# Altium PCB 609_2.PcbDoc
Units mil, origin at the board's own origin, x right, y up, seen from the top; angles counter-clockwise.
Board outline 2283.46 x 2283.46 mil, 2 copper layers (Top Layer, Bottom Layer); 38 components, 31 nets, 125 pads, 32 vias.
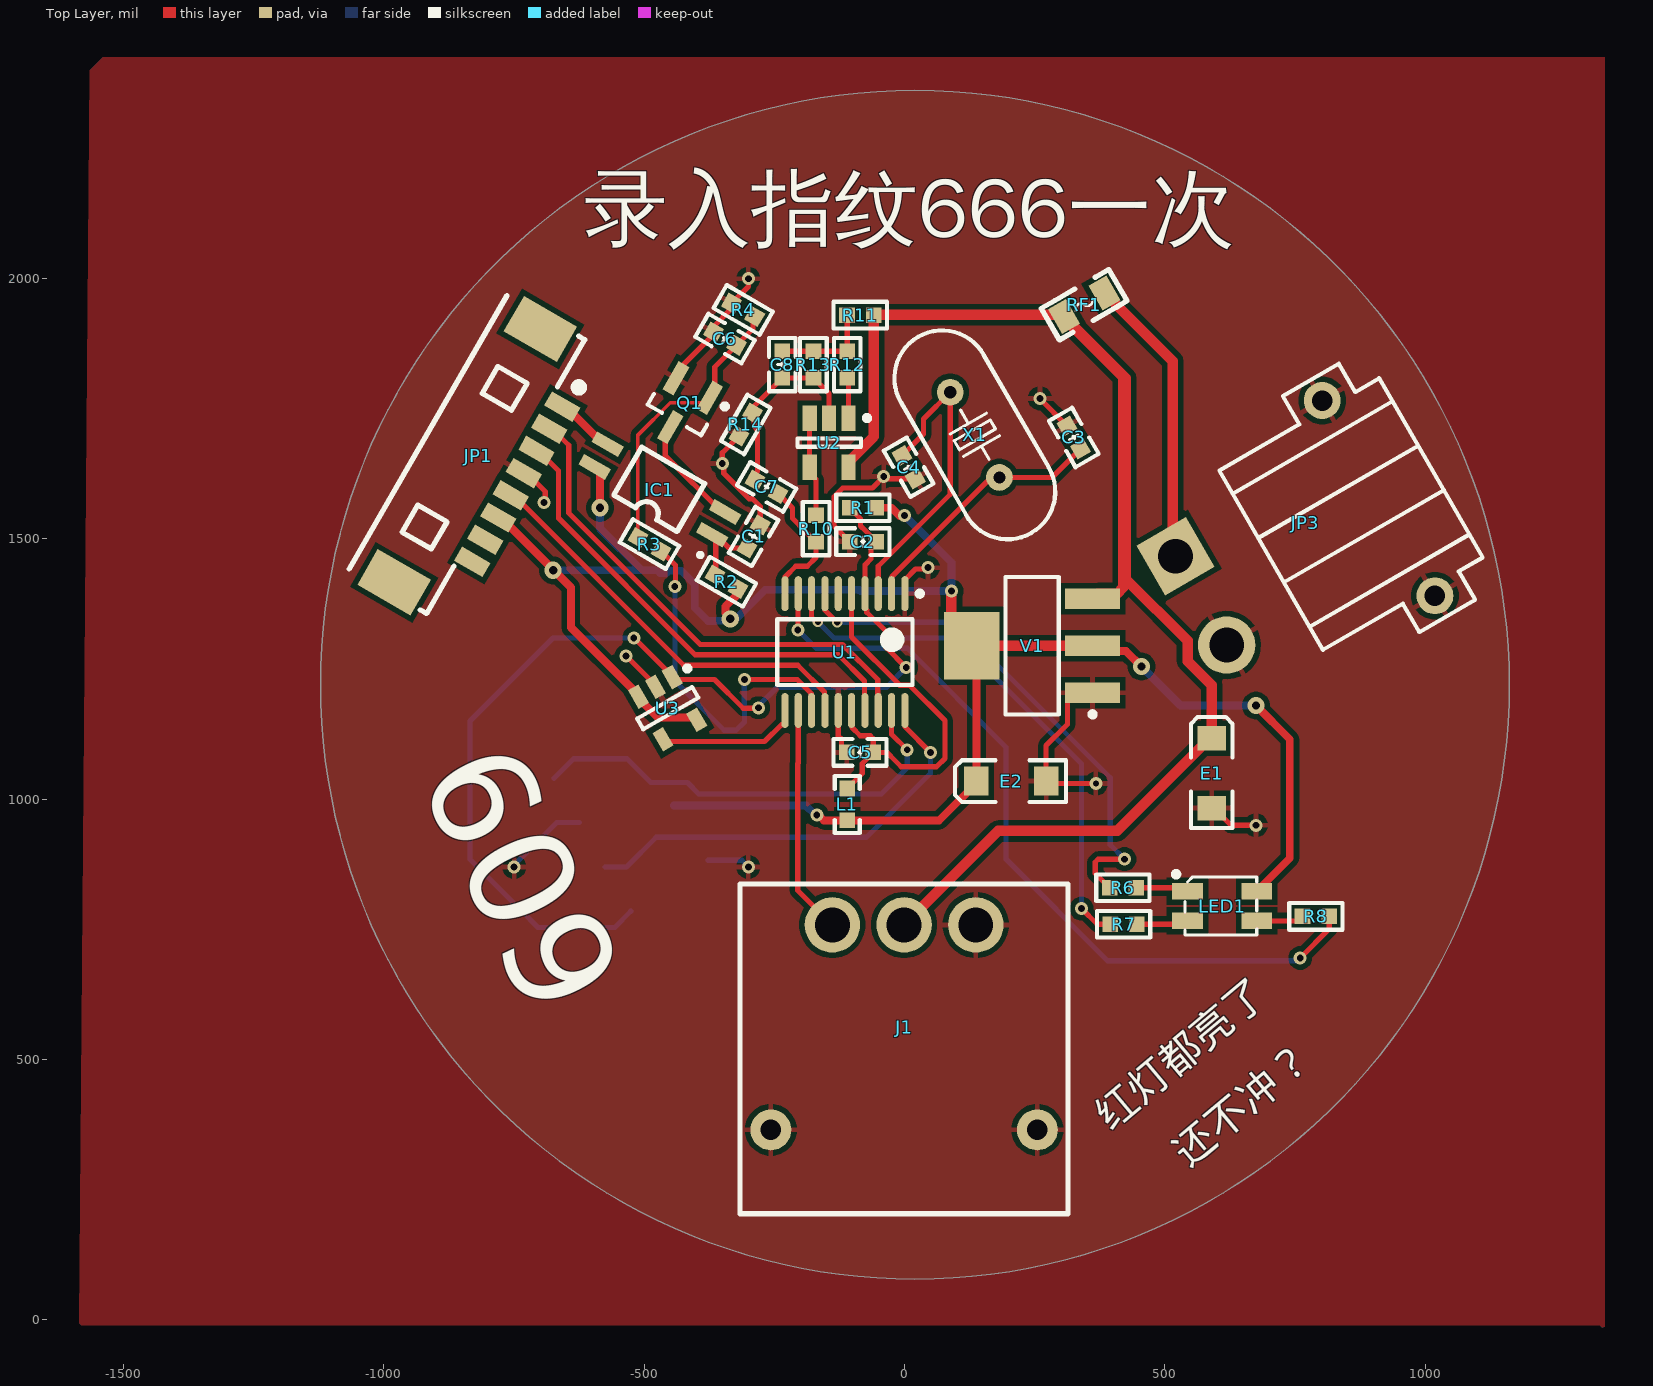
[diagram p0: Top Layer view]
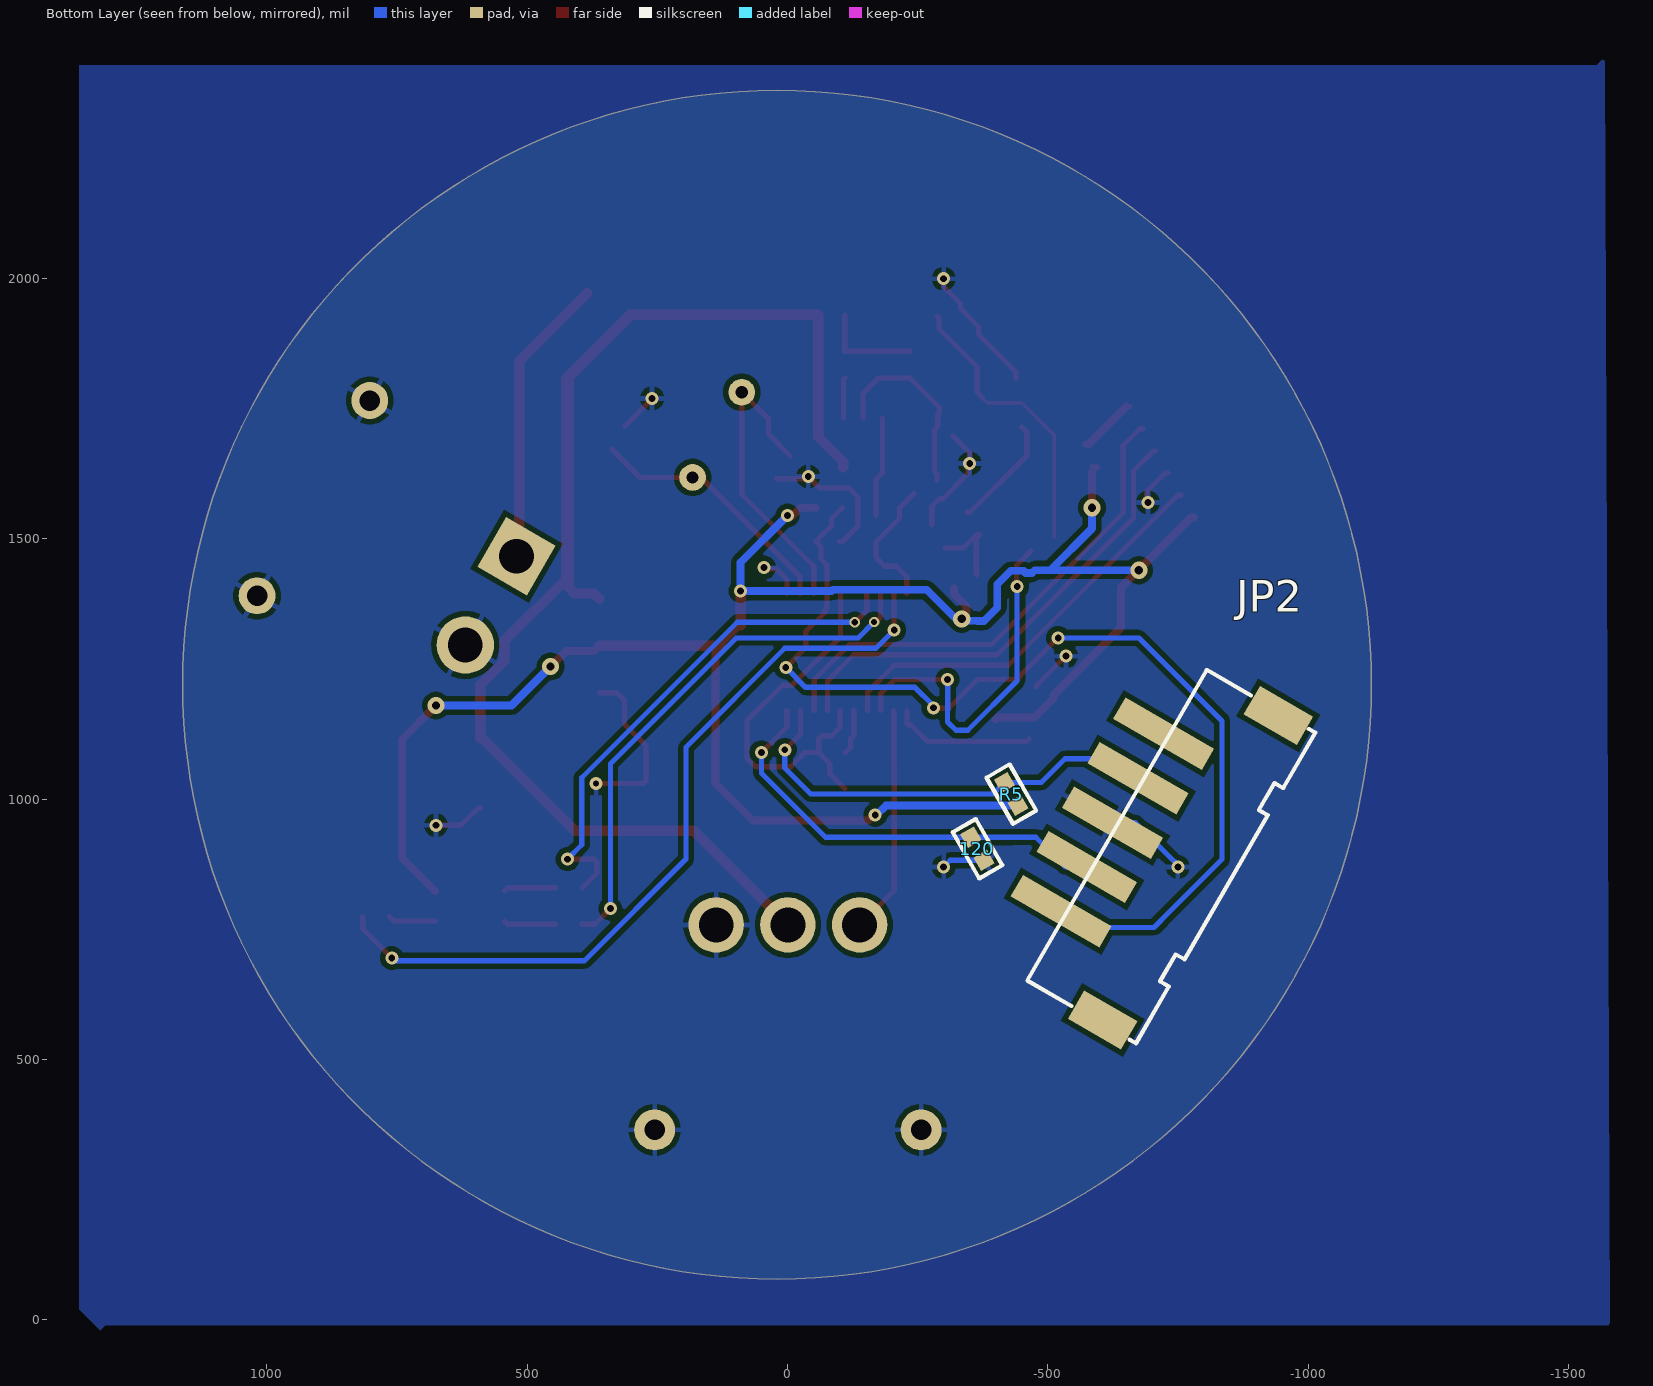
[diagram p1: Bottom Layer view, seen from below]
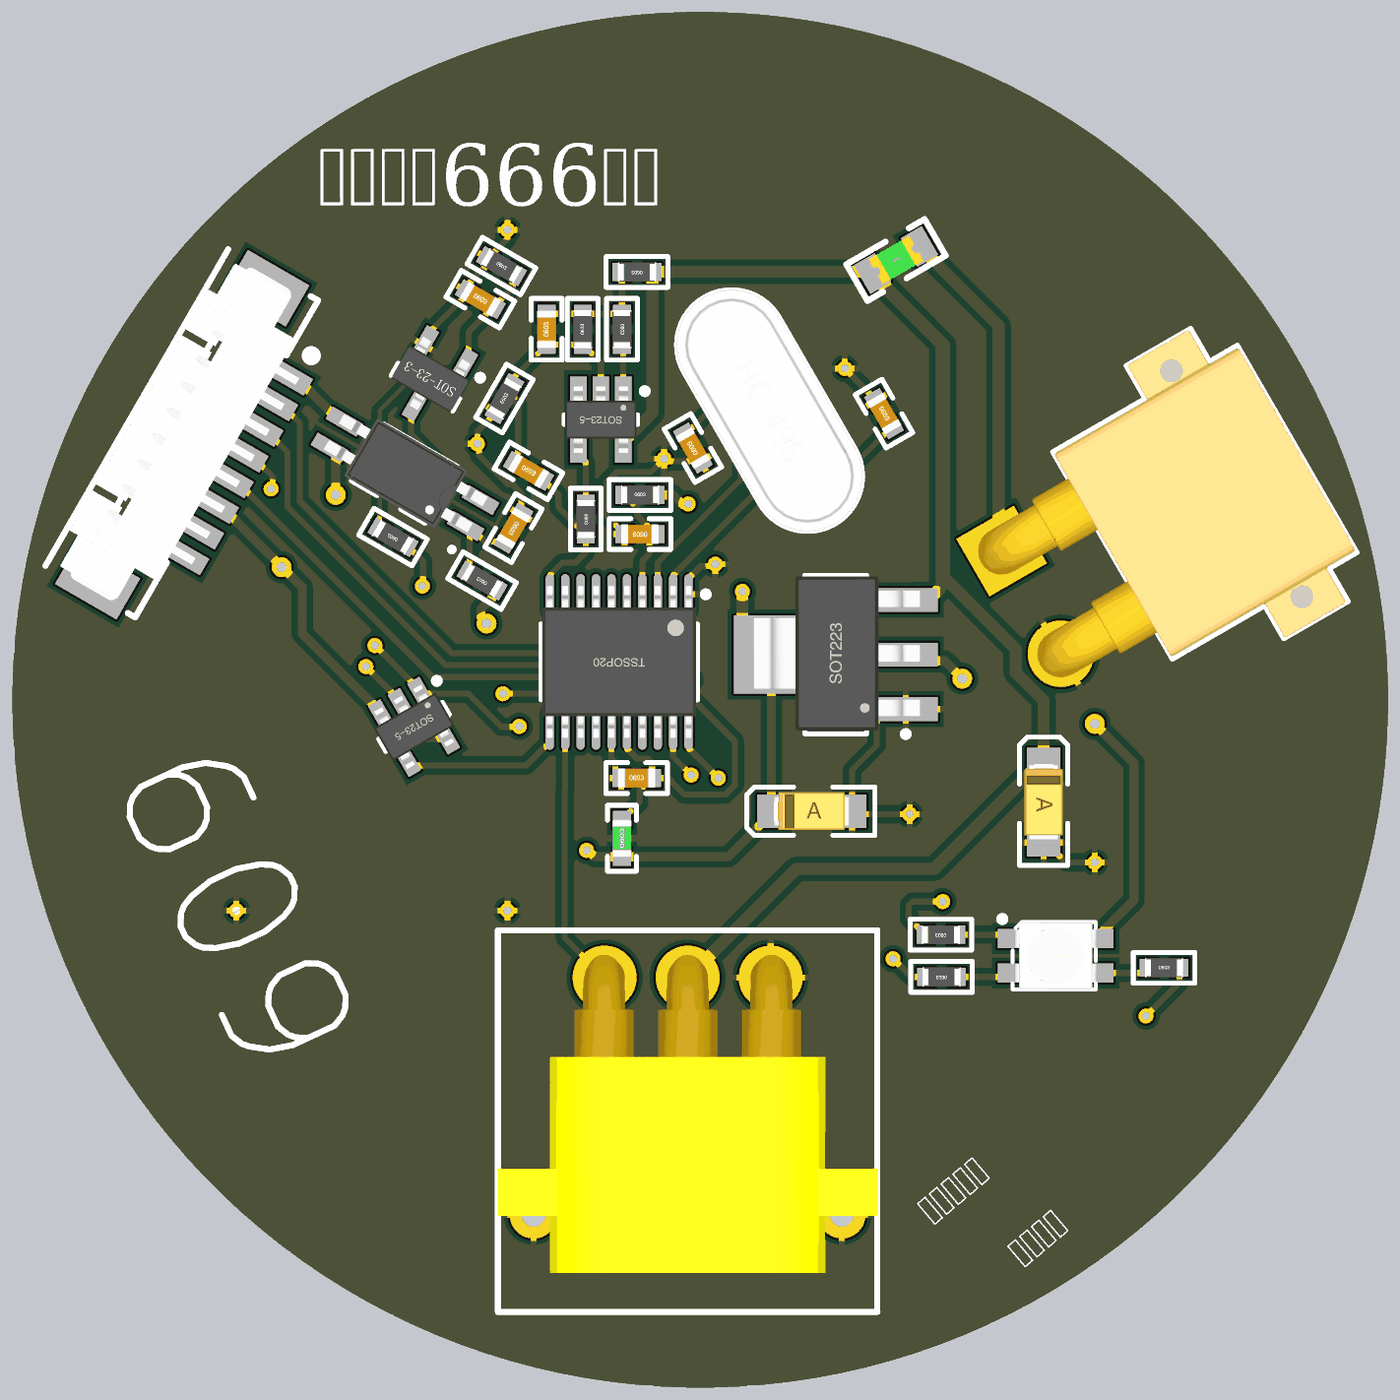
[diagram p2: 3D render of the assembled board from above, using the file's embedded part models]
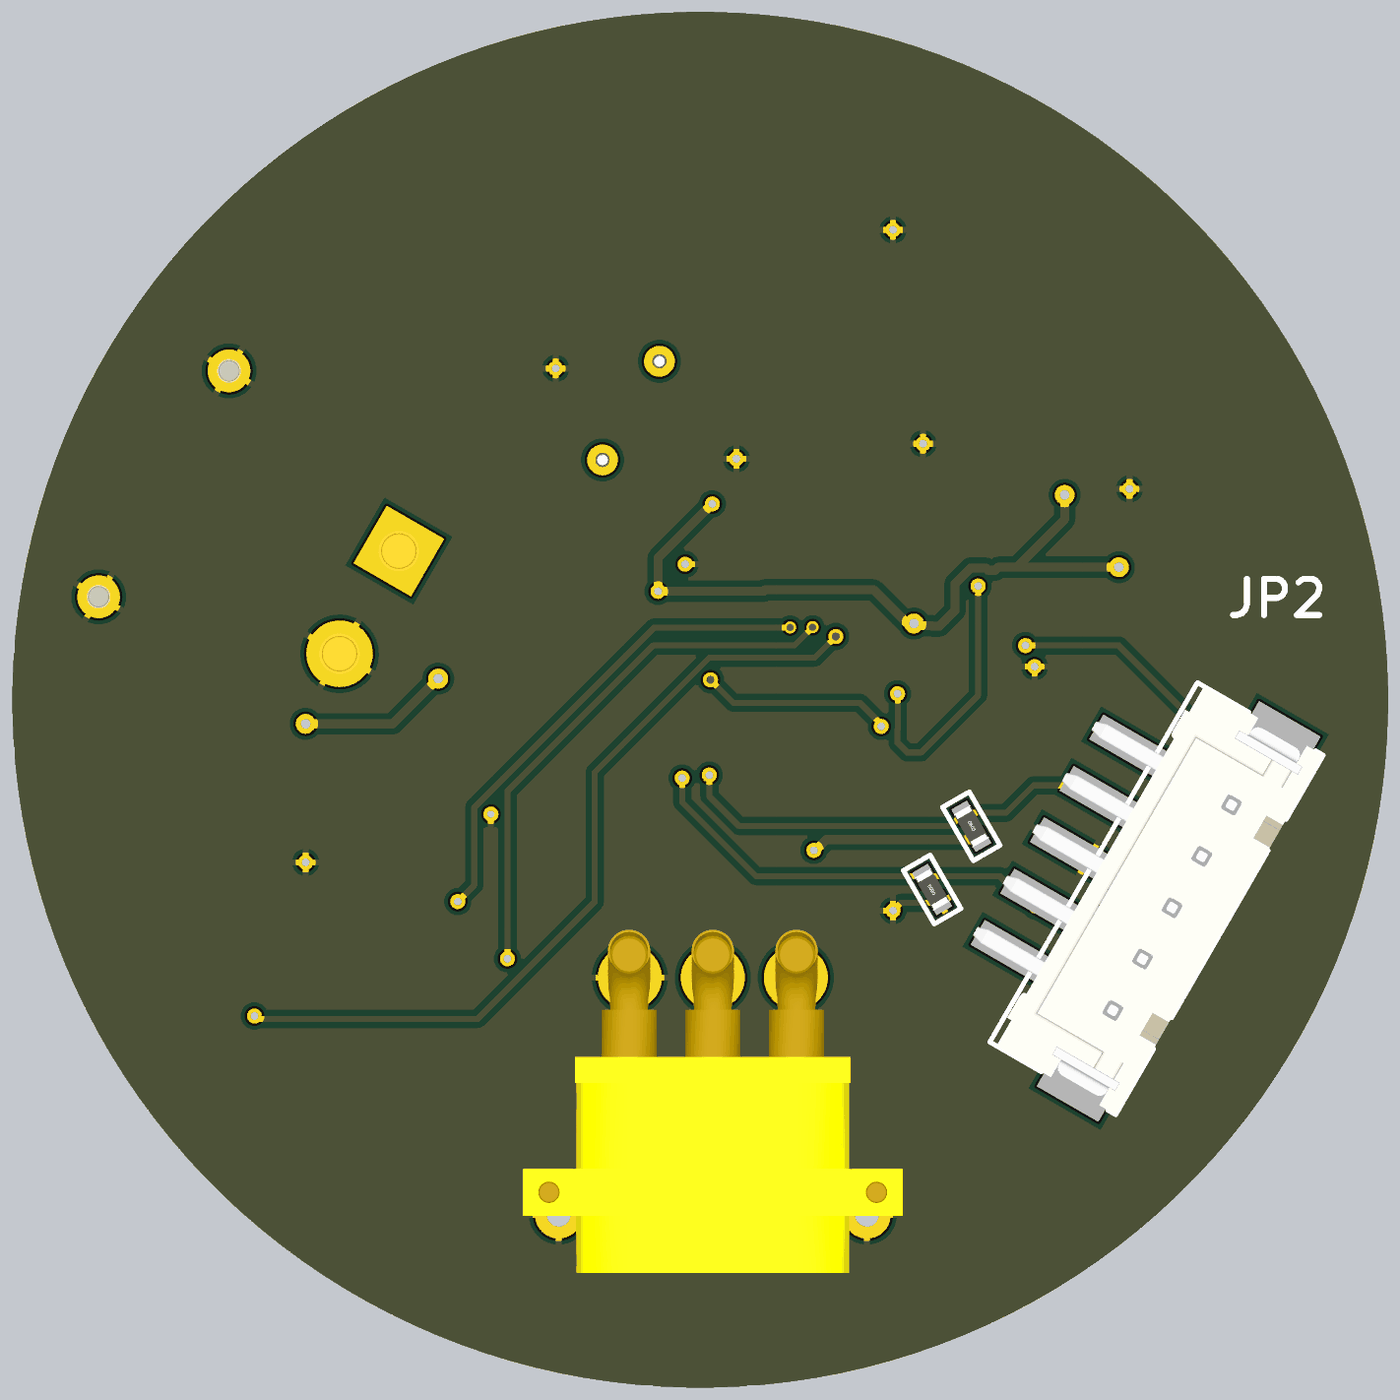
[diagram p3: 3D render of the assembled board from below, using the file's embedded part models]

## Layer stack, top to bottom
Top Solder: solder mask 0.4, Solder Resist, Dk 3.5
Top Layer: signal copper 1.4
Dielectric 1: dielectric 12.6, FR-4, Dk 4.8
Bottom Layer: signal copper 1.4
Bottom Solder: solder mask 0.4, Solder Resist, Dk 3.5

## Board outline
20,78.27 cw(c20,1220) -1121.73,1220 cw(c20,1220) 20,2361.73 cw(c20,1220) 1161.73,1220 cw(c20,1220)

## Design rules (kind name [scope] priority, off if disabled: settings)
Clearance [All] p1: gap=10 ignorepadtopadclearanceinfootprint=TRUE except(0: Arc-Hole Track-Hole SMDPad-Hole THPad-Hole Via-Hole Fill-Hole Poly-Hole Region-Hole Text-Hole; 5: Arc-Arc Arc-Track Arc-SMDPad Track-Track Track-SMDPad SMDPad-SMDPad)
PolygonConnect [All] p1: connectstyle=Relief reliefconductorwidth=10 reliefentries=4 polygonreliefangle="90 Angle" airgapwidth=10
RoutingVias [All] p1: holewidth=13 width=25 viastyle="Through Hole" minholewidth=12 minwidth=20 maxholewidth=28 maxwidth=50
SolderMaskExpansion [All] p1: expansion=4 istentingtop=FALSE
Width [All] p1: maxlimit=50 minlimit=7 preferedwidth=10 minimp=50.000000 maximp=50.000000 favimp=50.000000
30 further rules are at their usual default settings.

## Components (designator, comment, footprint, x,y, rotation, side; value= is the part's Value field where it differs from the comment)
120 "10K" R0603_L -365,905 r60 bottom (schematic designator R9)
C1 "100n" C0603_L -290,1505 r240 top
C2 "104" C0603_L -80,1495 r180 top
C3 "20p" C0603_L 325,1695 r300 top
C4 "20p" C0603_L 7.79,1637.84 r120 top
C5 "100n" C0603_L -85.59,1090 r0 top
C6 "100n" C0603_L -345,1885 r330 top
C7 "100n" C0603_L -265,1600 r330 top
C8 "10n" C0603_L -235,1835 r90 top
E1 "10uF/6.3V" C_3216 590,1050 r270 top
E2 "10uF/6.3V" C_3216 205,1035 r0 top
IC1 "PC817" SOP4 -470,1595 r330 top
J1 "MR30PW" MR30PW -0.91,758.7 r180 top
JP1 "HDR-1X8" MX1.25-WT-8P -840,1660 r240 top
JP2 "HDR-1X5" XH2.54-LS-5P -739.56,888.65 r300 bottom
JP3 "HDR-1X4" XT30PW-M 740,1480 r300 top
L1 "180N" L0603 -110,990 r90 top
LED1 "RGB-3528" "LED 3528-4Pin" 610,795 r0 top
Q1 "BCP68" SOT23-3M -428.35,1752.51 r240 top
R1 "10K" R0603_L -80,1560 r0 top
R2 "330R" R0603_L -342.17,1417.79 r150 top
R3 "4.7k" R0603_L -490,1490 r150 top
R4 "3.3k" R0603_L -310,1940 r330 top
R5 "10K" R0603_L -430,1010 r240 bottom
R6 "1K" R0603_L 419.41,830 r180 top
R7 "3.3K" R0603_L 420.59,760 r180 top
R8 "3.3K" R0603_L 790,775 r0 top
R10 "100" R0603_L -170,1520 r270 top
R11 "3K" R0603_L -85,1930 r180 top
R12 "1K" R0603_L -110,1835 r270 top
R13 "1K" R0603_L -175,1835 r90 top
R14 "0R" R0603_L -305,1720 r60 top
RF1 "FR60-160B" "FU 0805" 345,1950 r30 top
U1 "STM32F030F4P6" TSSOP20_N -114.57,1282.8 r270 top
U2 "LM321" SOT23-5M -145,1685 r270 top
U3 "TPS3823" SOT-23-5 -455,1175 r300 top
V1 "3V3LDO" SOT223_M 245,1295 r180 top
X1 "8MHz" HC-49S 135,1700 r300 top

## Footprints (in the part's own frame and the unit in brackets; to place one, negate y for a bottom-side part, rotate by r counter-clockwise, add the part's x,y. Pads: shape width x height; smd on the part's side, far side on the other; paste and mask are expansions set on the pad)
C0603_L [mil] "贴片MLCC电容"
  rect 30x30 smd: 1(-25.59,0) 2(25.59,0)
  silkscreen extent -51,-26 51,26, body extent -31,-16 32,16, height 33
C_3216 [mm] "长3.2mm，宽1.6mm，厚1.6mm"
  rect 1.2x1.4 smd: 1(-1.7,0) 2(1.7,0)
  silkscreen extent -2.74,-1.02 2.67,1.02, body extent -1.6,-0.8 1.6,0.8, height 1.63
"FU 0805" [mil] "贴片保险丝"
  rect 40x55 smd: 1(-45,0) 2(45,0)
  silkscreen extent -75,-35 75,35, body extent -39,-24 39,24, height 20
HC-49S [mm] "封装库来自淘宝卖家 ID：黄晶宝石"
  round 1.3 hole 0.6: 1(-2.4,0) 2(2.4,0)
  silkscreen extent -5.52,-2.32 5.52,2.33, body extent -5.52,-2.32 5.53,2.33, height 4.18
L0603 [mil] "小功率贴片电感            联系卖家 免费查找封装"
  rect 30x30 smd: 1(-30.59,0) 2(30.59,0)
  silkscreen extent -55,-24 55,24, body extent -31,-16 32,16, height 31
"LED 3528-4Pin" [mm] "4脚，3528LED"
  rect 1.5x0.8 smd: 1(-1.689,0.725) 2(-1.689,-0.725) 3(1.689,-0.725) 4(1.689,0.725)
  silkscreen extent -2.37,-1.42 1.69,1.68, body extent -1.75,-1.4 1.75,1.4, height 1.95
MR30PW [mm]
  round 2.7 hole 1.7: 1(3.5,0) 2(0,0) 3(-3.5,0)
  round 2 hole 1: 4(-6.5,10) 5(6.5,10)
  silkscreen extent -8,-2 8,14.1, body extent -8.01,-2.04 8,12.45, height 2.2
MX1.25-WT-8P [mm] "长：15.15mm，宽：4.2mm，高：3.4mm"
  rect 2x3 smd: 0(-7.132,0) 0(7.132,0)
  rect 0.8x1.6 smd: 1(-4.389,2.811) 2(-3.139,2.811) 3(-1.889,2.811) 4(-0.639,2.811) 5(0.611,2.811) 6(1.861,2.811) 7(3.111,2.811) 8(4.361,2.811)
  silkscreen extent -7.77,-2.23 7.67,3.25, body extent -7.57,-2.1 7.58,3.09, height 3.4
R0603_L [mil] "1/10W贴片电阻"
  rect 30x30 smd: 1(-25.59,0) 2(25.59,0)
  silkscreen extent -51,-26 51,26, body extent -31,-16 31,16, height 16
SOP4 [mm] "间距1.27mm     封装库来自淘宝卖家 ID：黄晶宝石"
  rect 1.5x0.6 smd: 1(3.309,-0.635) 2(3.309,0.635) 3(-3.309,0.635) 4(-3.309,-0.635)
  silkscreen extent -1.81,-1.88 3.4,1.35, body extent -3.49,-1.36 3.51,1.44, height 2.1
SOT23-3M [mm] "SOT23, 3-Leads, Body 2.9x1.3mm, Pitch 0.95mm, Lead Span 2.4mm, IPC Low Density"
  rect 1.6x0.6 smd: 1(-1.1,0.95) 2(-1.1,-0.95) 3(1.1,0)
  silkscreen extent -1.22,-1.5 0.7,1.92, body extent -1.4,-1.45 1.4,1.45, height 1.2
SOT23-5M [mm] "SOT23, 5-Leads, Body 2.9x1.6mm, Pitch 0.95mm, IPC Low Density                联系卖家 免费查找封装"
  rect 1.25x0.7 smd: 1(-1.2,0.95) 2(-1.2,0) 3(-1.2,-0.95) 4(1.2,-0.95) 5(1.2,0.95)
  silkscreen extent -1.32,-1.55 0.2,1.98, body extent -1.4,-1.5 1.4,1.5, height 1.15
SOT223_M [mm] "SOT223, 4-Leads, Body 6.5x3.5mm, Pitch 2.3mm, Lead Span 7mm, IPC Low Density"
  rect 2.7x1 smd: 1(-2.95,2.3) 2(-2.95,0) 3(-2.95,-2.3)
  rect 2.7x3.3 smd: 4(2.95,0)
  silkscreen extent -3.08,-3.35 1.3,3.47, body extent -3.56,-3.3 3.46,3.2, height 1.65
SOT-23-5 [mm] "SOT23, 5-Leads, Body 2.9x1.6mm, Pitch 0.95mm, IPC Medium Density"
  rect 1.05x0.6 smd: 1(-1.2,0.95) 2(-1.2,0) 3(-1.2,-0.95) 4(1.2,-0.95) 5(1.2,0.95)
  silkscreen extent -1.32,-1.55 0.3,1.92, body extent -1.4,-1.5 1.4,1.5, height 1.15
TSSOP20_N [mm] "TSOP, 20-Leads, Body 6.5x4.4mm, Pitch 0.65mm, IPC Medium Density"
  oval 1.7x0.35 smd: 1(-2.85,2.925) 2(-2.85,2.275) 3(-2.85,1.625) 4(-2.85,0.975) 5(-2.85,0.325) 6(-2.85,-0.325) 7(-2.85,-0.975) 8(-2.85,-1.625) 9(-2.85,-2.275) 10(-2.85,-2.925) 11(2.85,-2.925) 12(2.85,-2.275) 13(2.85,-1.625) 14(2.85,-0.975) 15(2.85,-0.325) 16(2.85,0.325) 17(2.85,0.975) 18(2.85,1.625) 19(2.85,2.275) 20(2.85,2.925)
  silkscreen extent -2.97,-3.3 1.6,3.78, body extent -3.2,-3.25 3.2,3.25, height 1.03
XH2.54-LS-5P [mm] "长：17.5mm，宽：6mm，高：8.3mm"
  rect 1.6x3 smd: 0(-8.576,1.016) 0(8.576,1.016)
  rect 1.2x5 smd: 1(-5,-3.383) 2(-2.5,-3.383) 3(0,-3.383) 4(2.5,-3.383) 5(5,-3.383)
  silkscreen extent -8.75,-3.13 8.75,3, body extent -8.75,-6 8.75,3, height 8.05
XT30PW-M [mm] "TH, 4-Leads, Body 13.95x13.3mm"
  rect 2.8x2.8 hole 1.7: 1(-2.5,-5)
  round 2.8 hole 1.7: 2(2.5,-5)
  round 1.8 hole 1: MP1(-5.5,5) MP2(5.5,5)
  silkscreen extent -6.65,-1.05 6.65,7.95, body extent -6.65,-6 6.65,7.95, height 5.05

## Part data
120 R1 R2 R3 R4 R5 R6 R7 R8 R10 R11 R12 R13 R14: library part R, "贴片电阻", BOM名称=贴片电阻, 联系下单店铺卖家 免费帮你查找封装="联系下单店铺卖家 免费技术支持"
C1 C2 C3 C4 C5 C6 C7 C8: library part C, "贴片电容/MLCC电容", BOM名称=无极性贴片电容, 联系下单店铺卖家 免费帮你查找封装="联系下单店铺卖家 免费技术支持"
E1 E2: library part CT, "贴片钽电容", BOM名称=贴片钽电容, 联系下单店铺卖家 免费帮你查找封装="联系下单店铺卖家 免费技术支持"
IC1: "线性光耦", BOM名称=线性光耦, 封装库来自淘宝卖家：黄晶宝石=其他店铺购入均为盗版封装库，请立即申请退款，本店现金奖励200~1000元
JP1: library part "Header 8", "8P连接器", BOM名称=8P连接器, 联系卖家 免费技术支持=封装库来自淘宝卖家ID：黄晶宝石
JP2: library part "Header 5", "5P接插件", BOM名称=5P接插件, 封装库来自淘宝卖家ID：黄晶宝石=其他店铺购入均为盗版封装库，请立即申请退款，本店现金奖励50~200元, 联系卖家，免费查找封装=唯一出售店铺网址https://shop463601444.taobao.com
JP3: library part "Header 4", "4P接插件", BOM名称=4P接插件, 封装库来自淘宝卖家ID：黄晶宝石=其他店铺购入均为盗版封装库，请立即申请退款，本店现金奖励50~200元, 联系卖家，免费查找封装=唯一出售店铺网址https://shop463601444.taobao.com
L1: library part L, "贴片小功率电感", BOM名称=小功率贴片电感, 联系下单店铺卖家 免费帮你查找封装="联系下单店铺卖家 免费技术支持"
LED1: library part "LED-RGB 3528", "3528三基色LED", BOM名称=三基色LED, 封装库来自淘宝卖家：黄晶宝石=其他店铺购入均为盗版封装库，请立即申请退款，本店现金奖励200~1000元
Q1: "NPN三极管", 8元以下特价购入的买家=还可以联系卖家远程指导AD软件使用
RF1: library part FU-PPTC, "PPTC自恢复保险丝", BOM名称=PPTC自恢复保险丝, 封装库来自淘宝卖家：黄晶宝石=其他店铺购入均为盗版封装库，请立即申请退款，本店现金奖励200~1000元, 联系卖家，免费查找封装=唯一出售店铺网址https://shop463601444.taobao.com
U1: library part STM32F030F4, "Flash: 16K/RAM: 4K/IO: 15", 联系卖家，免费查找封装=唯一出售店铺网址https://shop463601444.taobao.com
U2: "Low Power Single Op Amp, 5-pin SOT-23", 联系下单店铺卖家 免费帮你查找封装=唯一出售店铺网址https://shop463601444.taobao.com
V1: library part CJT1117B-3.3, "低压差线性稳压芯片（4脚是out）"
X1: library part XTAL-2P, "2脚无源晶振(谐振器）", BOM名称=2脚无源晶振(谐振器）, 联系下单店铺卖家 免费帮你查找封装="联系下单店铺卖家 免费技术支持"

## Via types
v1: diameter 25, hole 13, Top Layer to Bottom Layer, 24 vias
v2: diameter 33, hole 16, Top Layer to Bottom Layer, 5 vias
v3: diameter 20, hole 12, Top Layer to Bottom Layer, 2 vias
v4: diameter 25, hole 12, Top Layer to Bottom Layer, 1 vias

## Nets (pads, with @x,y where several pads share a name; then routed paths per layer and width w, separated by ;. In a path a pad name is that pad's centre, name@x,y a point inside that pad or via, vN(x,y) a via of type N, cw(c..) or ccw(c..) an arc to the next point about the centre after c; other vN are vias at no path point)
+3.3V: E2.1 IC1.4 JP1.6 L1.1 LED1.4 R1.2 R2.1 R5.2 U3.3 U3.5 V1.2 V1.4 | length 4027.9
  Top Layer w10: IC1.4@-585,1628.16 IC1.4 -586.5,1638.5 IC1.4@-585,1640 ; v1@-9.14,1544.14 -0.86,1544.14 v1(0,1545) ; V1.4@90,1333.86 V1.4 V1.4@138.07,1285.79 ; E2.1@138.07,1031.06 E2.1
  Top Layer w15: JP1.6 -775.04,1541.21 -640.59,1406.76 -640.59,1330.03 -511.01,1200.46 U3.3 -511.01,1193.97 -474.26,1157.22 -403.42,1157.22 U3.5 ; v2(-585,1560) IC1.4@-585,1628.16 ; v2(-334.77,1346.5) -334.77,1348.38 -344.18,1357.79 -344.18,1370.21 -320,1394.39 R2.1 ; v1(-168.65,970) -165.94,970 -155.36,959.42 L1.1 66.42,959.41 E2.1@138.07,1031.06 ; R1.2 -25,1560 v1@-9.14,1544.14 ; E2.1 V1.4@138.07,1285.79 ; V1.2 371.54,1284.6 425.4,1284.6 v2(455,1255) ; v2(675,1180) 740,1115 740,887.04 LED1.4
  Top Layer w20: V1.4@90,1333.86 v1(90,1400) ; V1.4 V1.2
  Bottom Layer w15: v2(-675,1440) -505,1440 ; v2(-585,1560) -585,1520 -505,1440 ; R5.2 -189.19,987.84 -171.35,970 v1(-168.65,970) ; v2(-334.77,1346.5) -338.22,1343.06 -364.07,1343.06 -364.85,1342.27 -377.27,1342.27 -403.03,1368.03 -403.03,1413.03 -428.79,1438.79 -453.64,1438.79 -457.5,1434.93 -469.93,1434.93 -475,1440 -505,1440 ; v2@-330,1340 -267.5,1402.5 -87.26,1402.5 -84.76,1400 v1(90,1400) 90,1455 v1(0,1545) ; v2(455,1255) 530,1180 v2(675,1180)
AGND: C7.1 C8.1 R13.1 R14.2 U2.2 | length 376
  Top Layer w10: C7.1 -287.17,1624.87 -282.3,1629.73 -282.3,1709.54 -288.78,1716.02 -288.78,1738.74 R14.2 -292.2,1752.2 C8.1 R13.1 -145,1779.41 U2.2
GND: 120.1 C1.1 C2.2 C3.1 C4.1 C5.1 C6.1 E1.2 E2.2 J1.3 J1.4 J1.5 JP1.4 JP2.3 JP3.2 JP3.MP1 JP3.MP2 Q1.2 R4.1 R14.1 U1.1 U1.15 U3.2 V1.1 | length 1819.1
  Top Layer w10: JP1.4 -725.83,1626.45 -690,1590.62 -690,1572.5 v1(-692.5,1570) ; v1(-535,1275) -534.73,1275 -478.62,1218.89 U3.2 ; Q1.2 -439.08,1820.9 -367.17,1892.81 C6.1 -367.17,1907.79 -332.17,1942.79 R4.1 -300,1984.96 v1(-300,2000) ; R14.1 -350,1665.63 v1(-350,1645) -347.13,1642.13 -347.13,1625.56 -298.87,1577.3 -291.85,1577.3 -277.21,1562.66 C1.1 ; U1.15@-128.09,1171.31 U1.15 -127.36,1122.13 -121.18,1115.95 -121.18,1100 C5.1 ; C2.2@-100,1495 C2.2@-105,1495 ; U1.1 0.59,1421.57 21.15,1442.13 42.13,1442.13 v1(45,1445) ; C4.1 -35.68,1615.68 v1(-40,1620) -61.85,1598.15 -118.65,1598.15 -135.59,1581.21 -135.59,1525.01 C2.2 ; v1(260,1770) 260,1769.36 C3.1 ; V1.1 327.68,1204.45 312.99,1189.76 312.99,1144.19 271.93,1103.13 E2.2 276.8,1030.13 v4(367.5,1030.13) ; E1.2 593.94,983.07 627.01,950 v1(675,950) ; C2.2 C2.2@-105,1495 ; C2.2 C2.2@-105,1495
  Bottom Layer w10: v1(-750,870) -750,874.06 -744.14,879.92 -744.14,880 -743.38,880 -668.14,955.24 JP2.3 ; 120.1 -312.84,882.84 v1(-300,870)
NetC1_2: C1.2 IC1.1 R2.2 | length 158.6
  Top Layer w10: R2.2 -362.56,1432.35 -362.56,1501.1 IC1.1 -362.79,1508.2 -337.43,1482.84 C1.2
NetC3_2: C3.2 U1.2 X1.2 | length 496.6
  Top Layer w10: U1.2 -24.28,1395.72 -24.28,1427.66 64.25,1516.19 158.35,1610.29 174.36,1610.29 X1.2 283.12,1618.17 C3.2
NetC4_2: C4.2 U1.3 X1.1 | length 604.4
  Top Layer w10: U1.3 -50.59,1447.61 87.76,1585.95 X1.1 36.36,1730.44 36.36,1701.36 C4.2
NetC6_2: C6.2 Q1.1 R3.2 R4.2 | length 556.1
  Top Layer w7: R3.2 -512.16,1699.6 -450.07,1761.68 -383.93,1761.68 Q1.1
  Top Layer w10: Q1.1 -364.46,1781.15 -364.46,1830.59 C6.2 -291.26,1903.78 -291.26,1923.78 R4.2
NetC7_2: C7.2 R10.2 U1.10 | length 260.2
  Top Layer w10: C7.2 -215.32,1559.68 -215.32,1539.7 -191.22,1515.59 R10.2 -170,1464.41 -186.89,1447.53 -209.14,1447.53 -229,1427.66 -229,1395.72 U1.10
NetC8_2: C8.2 R11.2 R12.1 R13.2 | length 194.6
  Top Layer w10: C8.2 R13.2 R12.1 -110,1929.42 R11.2
NetIC1_2: IC1.2 Q1.3 | length 219.1
  Top Layer w10: Q1.3 -459.84,1705.16 -459.84,1660.2 -351.15,1551.5 IC1.2
NetIC1_3: IC1.3 JP1.1 | length 117.5
  Top Layer w10: JP1.1 JP1.1@-650.68,1754.31 ; IC1.3@-578.16,1681.8 IC1.3
  Top Layer w15: JP1.1@-650.68,1754.31 IC1.3@-578.16,1681.8
NetJ1_1: J1.1 U1.12 | length 439.7
  Top Layer w10: U1.12 -204.13,1069.6 -205,1068.73 -205,825 J1.1
NetJP1_2: JP1.2 U1.18 | length 966.3
  Top Layer w10: JP1.2 -676.62,1711.69 -645,1680.07 -645,1550 -392.5,1297.5 -119.22,1297.5 -51.31,1229.6 -51.31,1171.31 U1.18
NetJP1_3: JP1.3 U1.17 | length 923.2
  Top Layer w10: JP1.3 -703.01,1669.07 -665,1631.06 -665,1540 -402.5,1277.5 -127.5,1277.5 -76.9,1226.9 -76.9,1171.31 U1.17
NetJP1_5: JP1.5 U1.14 | length 794.7
  Top Layer w10: JP1.5 -750.44,1583.83 -424.1,1257.5 -205.23,1257.5 -153.68,1205.95 -153.68,1171.31 U1.14
NetJP2_2: JP2.2 R5.1 U1.19 | length 865.5
  Top Layer w10: U1.19 -25,1125 v1(5,1095)
  Bottom Layer w10: JP2.2 -636.02,1077.88 -533.18,1077.88 -487.46,1032.16 R5.1 -395.38,1010.34 -44.66,1010.34 5,1060 v1(5,1095)
NetJP2_4: 120.2 JP2.4 U1.20 | length 840.6
  Top Layer w10: U1.20 1.31,1169.87 1.31,1138.69 v1(50,1090)
  Bottom Layer w10: JP2.4 -534.25,870 -477.09,927.16 -432.9,927.16 120.2 -72.84,927.16 50,1050 v1(50,1090)
NetJP3_1: JP3.1 RF1.2 | length 565.1
  Top Layer w20: RF1.2 515.31,1841.16 JP3.1@515.31,1461.81
NetLED1_1: LED1.1 R6.1 | length 101.2
  Top Layer w10: R6.1 537.04,830 LED1.1
NetLED1_2: LED1.2 R7.1 | length 100
  Top Layer w10: R7.1 537.04,760 LED1.2
NetLED1_3: LED1.3 R8.1 | length 91.4
  Top Layer w10: LED1.3 755.87,766.46 R8.1
NetR3_1: R3.1 U1.13 | length 695.5
  Top Layer w10: R3.1 -440,1449.37 -440,1410 v1(-441.21,1408.79) ; v1(-307.5,1230) -206.01,1230 -179.27,1203.25 -179.27,1171.31 U1.13
  Bottom Layer w10: v1(-441.21,1408.79) -441.21,1227.32 -346.39,1132.5 -323.61,1132.5 -307.5,1148.61 -307.5,1171.39 -307.85,1171.74 -307.85,1229.65 v1(-307.5,1230)
NetR6_2: R6.2 U1.7 | length 1000.1
  Top Layer w10: U1.7 -152.23,1394.28 -152.23,1362.34 -129.89,1340 v3(-129.27,1340) ; R6.2 366.32,857.5 366.32,879.14 372.18,885 v1(422.5,885)
  Bottom Layer w10: v3(-129.27,1340) 96.52,1340 395,1041.52 395,912.5 v1(422.5,885)
NetR7_2: R7.2 U1.8 | length 1026.2
  Top Layer w10: U1.8 -178.54,1349.52 -175.56,1346.54 -175.19,1346.54 -169.12,1340.47 v3(-166.42,1340.47) ; v1(340,790) 370,760 R7.2
  Bottom Layer w10: v3(-166.42,1340.47) -135.95,1310 98.23,1310 340,1068.23 v1(340,790)
NetR8_2: R8.2 U1.9 | length 1529.4
  Top Layer w10: v1(-205,1325) -204.57,1325.43 -204.57,1394.57 U1.9 ; v1(760,695) 815.59,750.59 R8.2
  Bottom Layer w10: v1(-205,1325) -170,1290 5,1290 195,1100 195,885 390,690 755,690 v1(760,695)
NetR10_1: R10.1 U2.3 U2.4 | length 191.8
  Top Layer w10: U2.3 U2.4 -182.4,1626.93 -170,1614.53 R10.1
NetR12_2: R12.2 U2.1 | length 78.2
  Top Layer w10: R12.2 -107.6,1807.01 U2.1
NRST: C2.1 JP2.5 R1.1 U1.4 U3.1 | length 2007.3
  Top Layer w10: v1(-520,1310) -519.19,1310 -446.23,1237.04 U3.1 -441.8,1230.19 -365.19,1230.19 -310,1175 -281.09,1175 v1(-280.35,1175.75) ; R1.1 -84.41,1538.82 -84.41,1525.04 -75.59,1516.22 C2.1 -64.41,1485 -64.41,1462.07 -76.18,1450.3 U1.4 -76.18,1367.4 -72.48,1363.7 -72.48,1359.36 -35,1321.88 -35,1291.11 v1(3.05,1253.05)
  Bottom Layer w10: JP2.5 -556.61,753.93 -703.93,753.93 -735.33,785.33 -834.69,884.69 -834.69,1150.31 -675,1310 v1(-520,1310) ; v1(-280.35,1175.75) -280.35,1179.65 -245,1215 -35,1215 v1(3.05,1253.05)
VCC: E1.1 J1.2 R11.1 RF1.1 U2.5 V1.3 | length 2982.2
  Top Layer w20: U2.5 -107.6,1648.58 -59.41,1696.77 R11.1 -58.78,1930.63 302.9,1930.63 RF1.1 ; J1.2 179.65,939.26 408.39,939.26 586.06,1116.93 E1.1 590,1218.84 543.62,1265.22 543.62,1304.19 425.02,1422.79 425.02,1808.51 RF1.1 ; V1.3 370.83,1395.24 408.28,1395.24 420,1406.95 420,1422.79 420,1810.78 306.03,1924.75 RF1.1
VDDA: C5.2 L1.2 U1.5 U1.16 | length 756.9
  Top Layer w10: L1.2 -81.18,1049.42 -81.18,1068.82 C5.2 ; U1.16 -101.05,1169.87 -101.05,1137.93 -85.25,1122.13 -65.86,1122.13 -60,1116.27 C5.2 ; U1.5 -101.77,1311.77 -9.06,1219.06 9.66,1219.06 77.5,1151.21 77.5,1078.61 61.39,1062.5 -6.39,1062.5 -27.5,1083.61 -27.5,1084.14 -33.36,1090 C5.2
WDI: U1.11 U3.4 | length 275.5
  Top Layer w10: U3.4 -459.34,1110.96 -268.76,1110.96 -236.42,1143.29 -231.47,1143.29 -229.72,1145.04 U1.11
pads on no net: JP1.0 JP1.7 JP1.8 JP2.0 JP2.1 U1.6

## Polygon pours and split planes (outlines as drawn)
GND on Top Layer "GND_L01_P002" (solid, pour order 2): -1565,2400 -1540,2425 1345,2425 1345,-20 1335,-10 -1585,-10
GND on Bottom Layer "GND_L02_P001" (solid, pour order 1): -1570,2425 -1555,2410 1360,2410 1360,20 1320,-20 1310,-10 -1580,-10

## Silkscreen, mask and mechanical layers (free items; w line width, h text height)
Top Overlay:
  text "录入指纹666一次" at -615,2040.82 h200
  text "609" at -533.29,654.84 h200 r115
  text "红灯都亮了" at 407.49,346.47 h100 r40
  text "还不冲？" at 557.37,275.74 h100 r40
Mechanical 1:
  circle w10: c20,1220 r1141.73